# KiCad board NX-J401-Adapter.kicad_pcb
title: NX Adapter Board; date: 2025-10-24; rev: 5
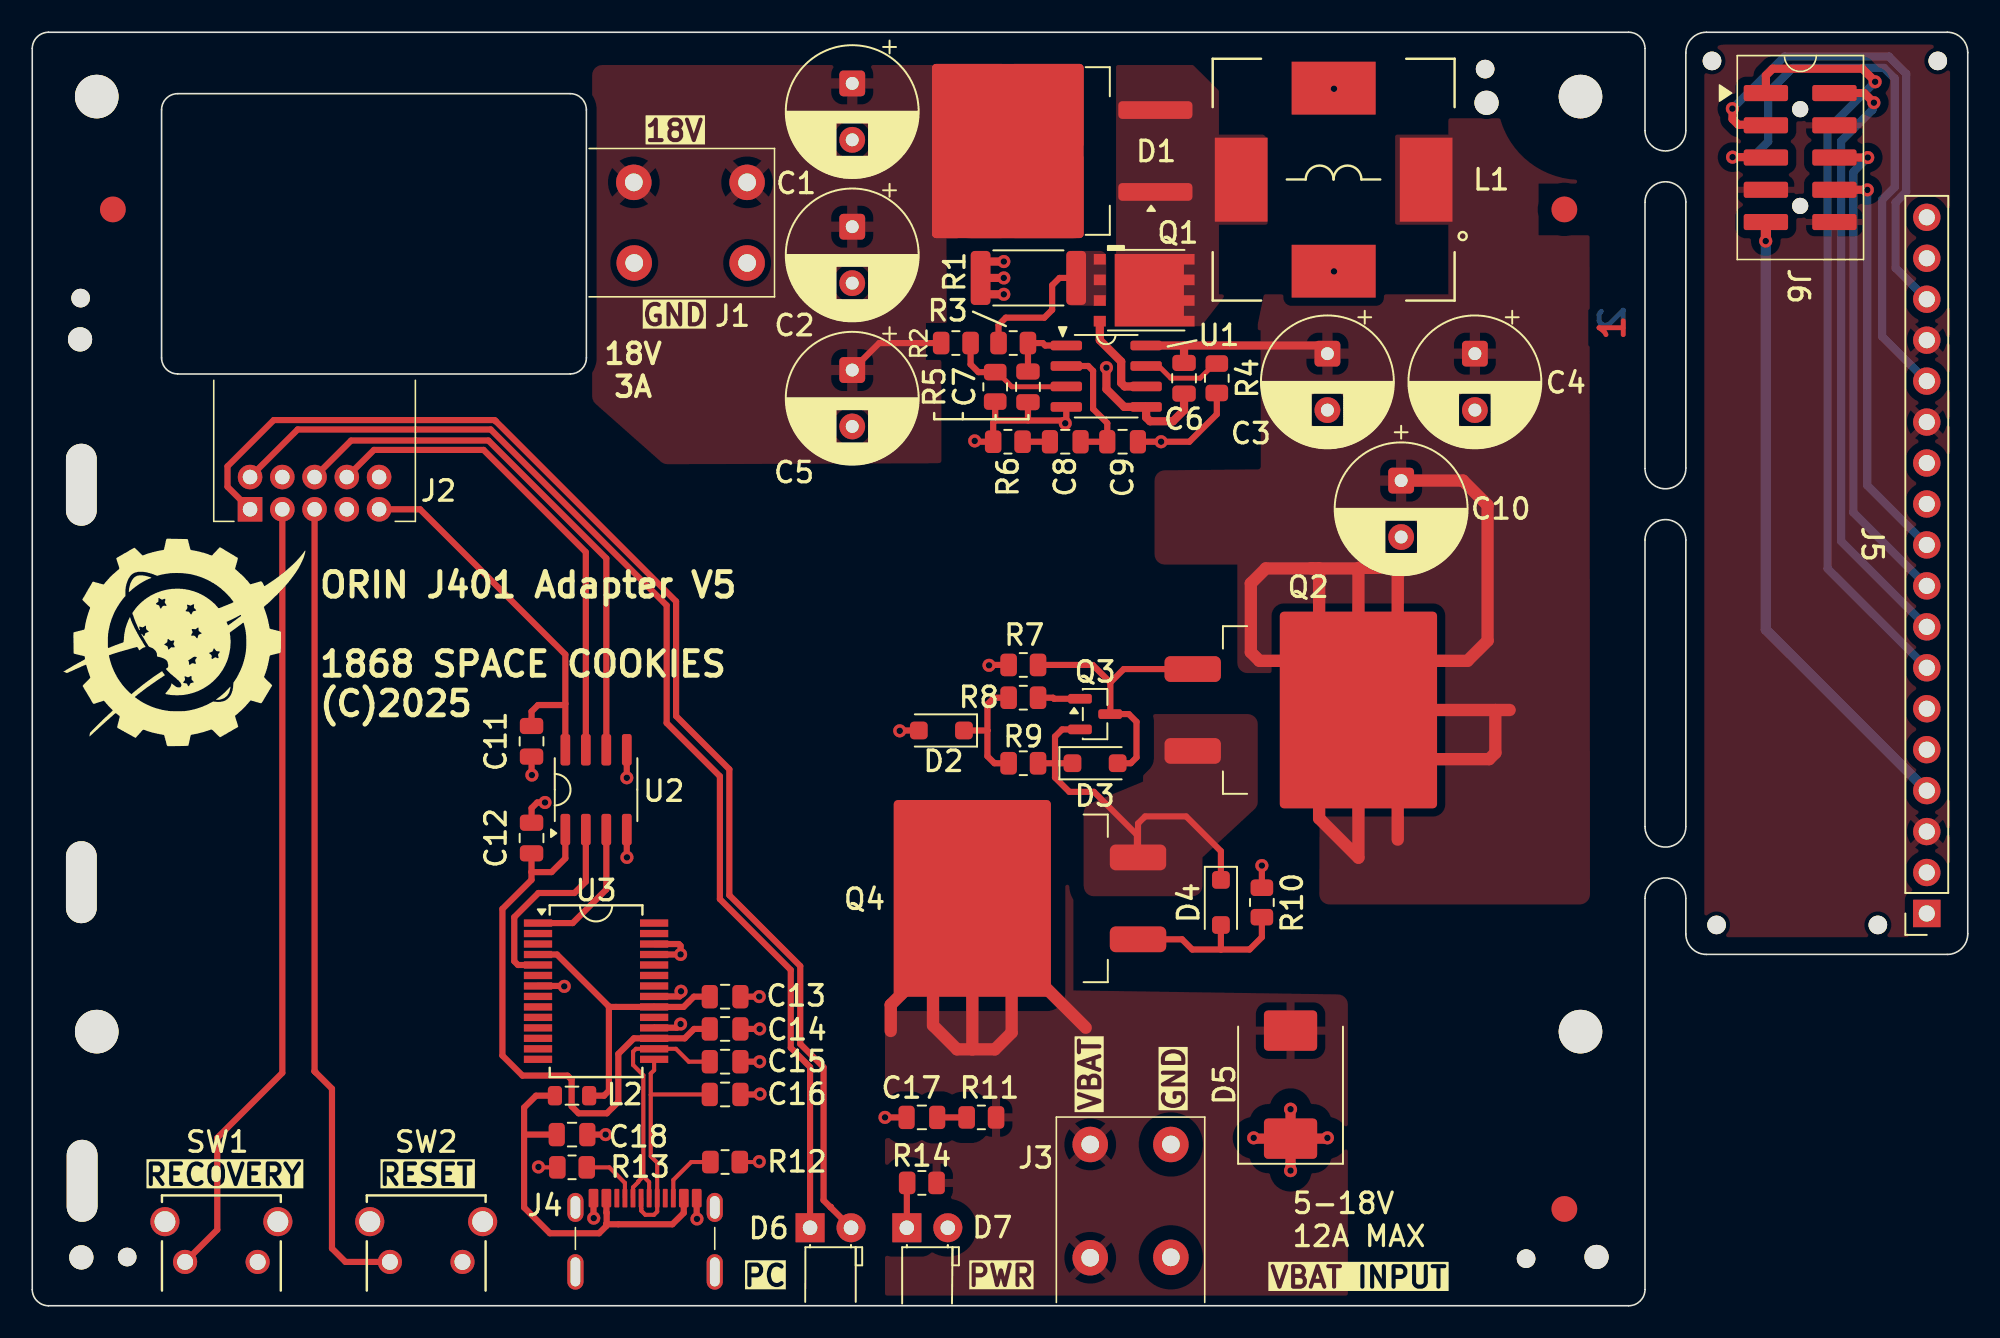
[diagram p0: board, top side]
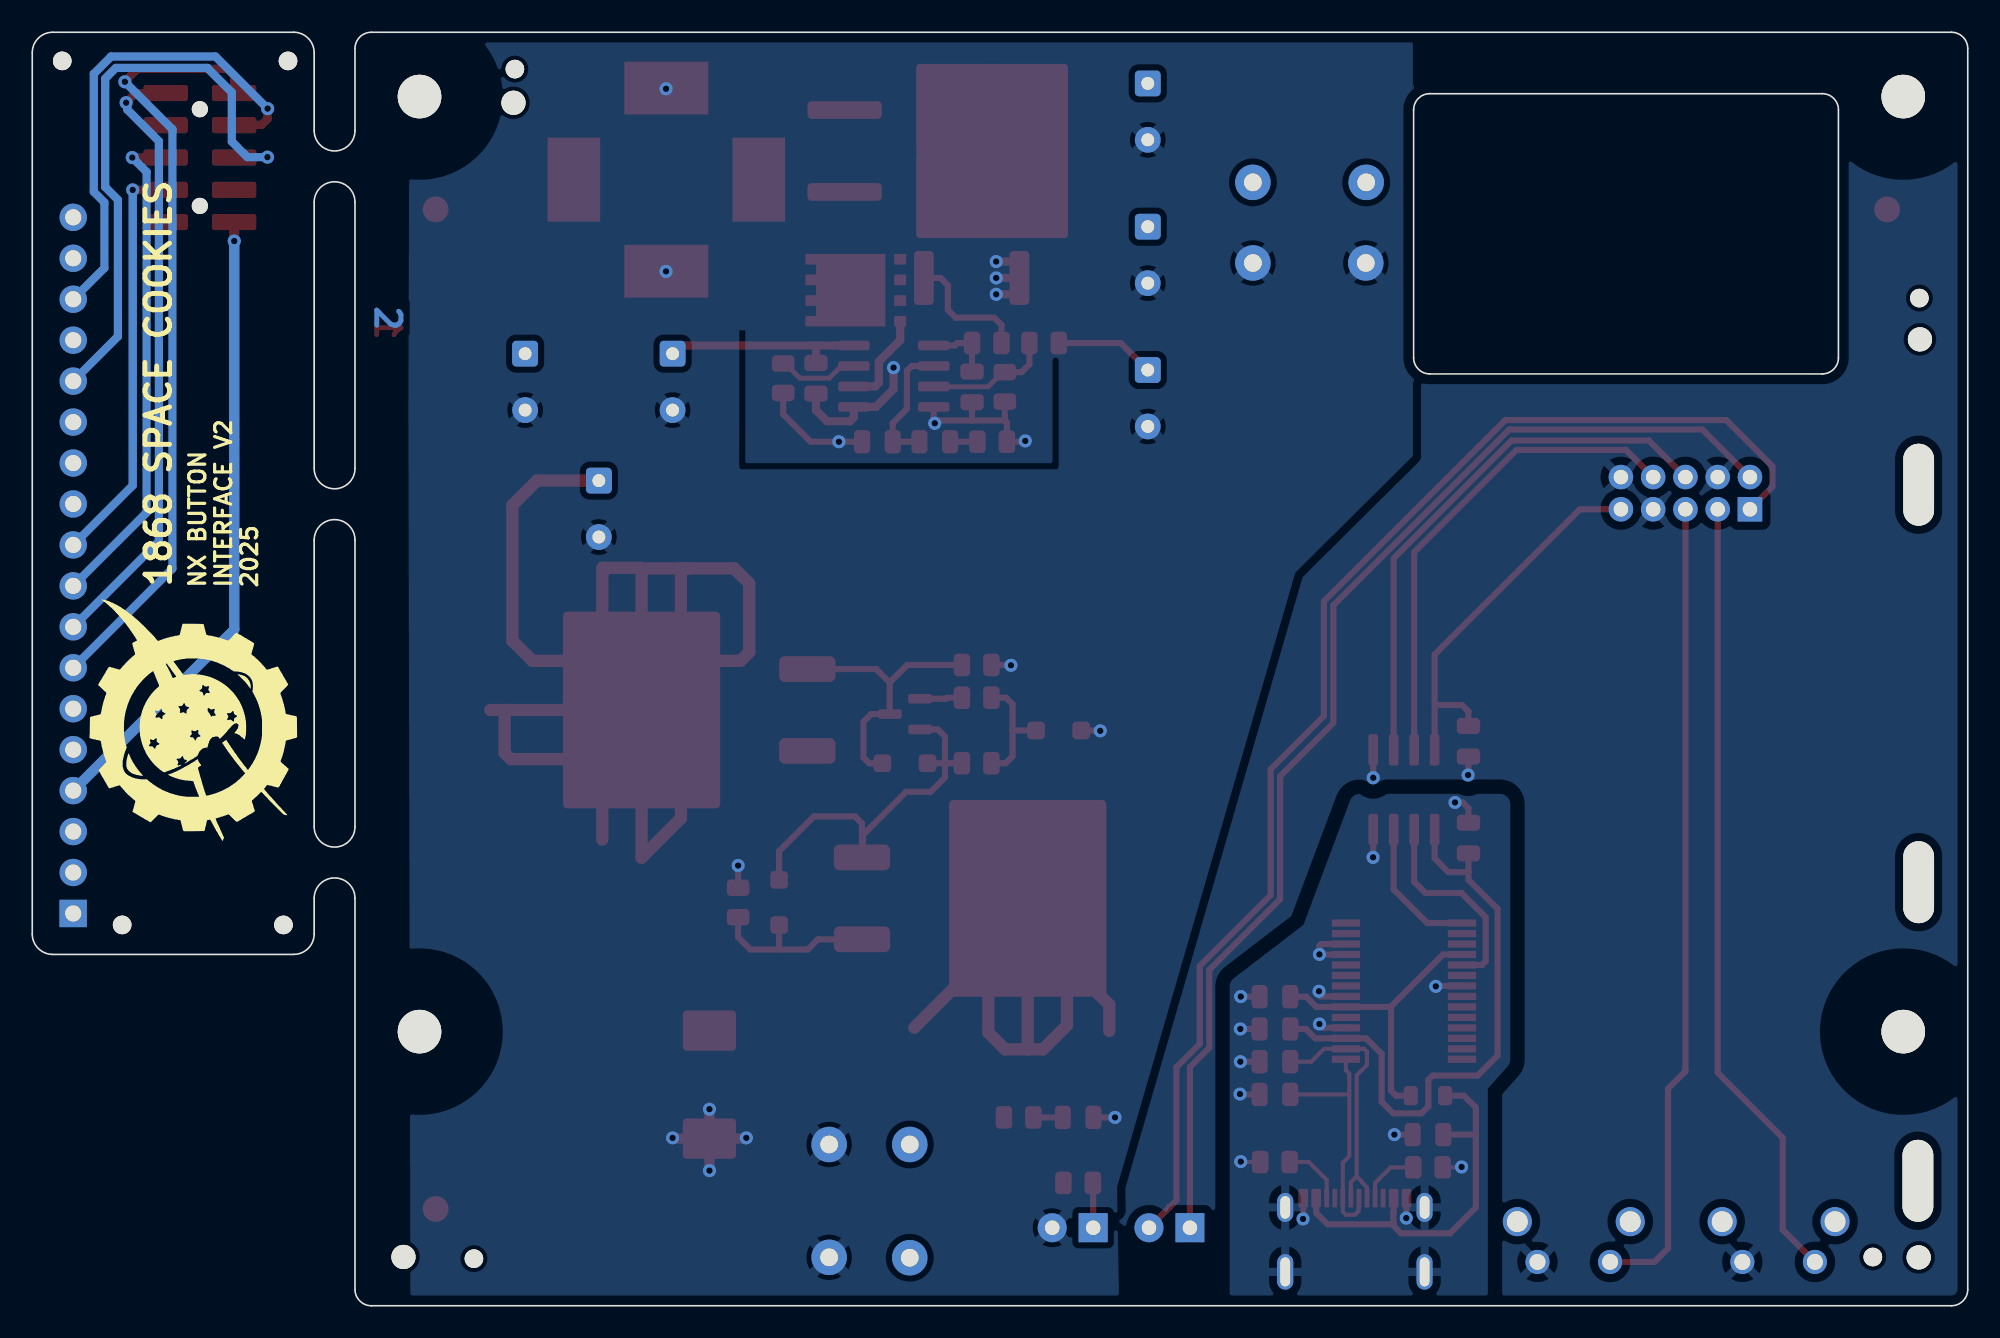
[diagram p1: board, bottom side, seen from below]

Outline 120.01 x 78.99 mm; copper layers: Top, Bottom. Coordinates in mm from the lower left corner of the outline.
Outline path: 100,51.94 100,68.45 arc(101.27,69.72) 102.53,68.45 102.53,51.94 ; 100,47.5 100,29.72 ; 100,47.5 arc(101.27,48.76) 102.53,47.5 ; 102.53,51.94 arc(101.27,50.68) 100,51.94 ; 102.53,29.72 102.53,47.5 ; 102.53,29.72 arc(101.27,28.45) 100,29.72 ; 0,77.98 0,1.02 arc(0.3,0.3) 1.02,0 98.98,0 arc(99.7,0.3) 100,1.02 100,25.27 arc(101.27,26.54) 102.53,25.27 102.53,23.06 arc(102.9,22.17) 103.8,21.79 118.74,21.79 arc(119.64,22.17) 120.01,23.06 120.01,77.72 arc(119.64,78.62) 118.74,78.99 103.8,78.99 arc(102.9,78.62) 102.53,77.72 102.53,72.9 arc(101.27,71.63) 100,72.9 100,77.98 arc(99.7,78.7) 98.98,78.99 1.02,78.99 arc(0.3,78.7) 0,77.98 ; 8.02,74.18 arc(8.31,74.89) 9.02,75.18 33.36,75.18 arc(34.07,74.89) 34.36,74.18 34.36,58.8 arc(34.07,58.09) 33.36,57.8 9.02,57.8 arc(8.31,58.09) 8.02,58.8 8.02,74.18
Stack: Top 0.0351mm / dielectric 1.5019mm FR4 er 4.5 / Bottom 0.0351mm

## Placement (name value [footprint] x y rotation side)
C1  56uF 25V  [CP_Radial_D8.0mm_P3.50mm_H7.0mm]  50.84 75.82 270 top
C2  56uF 25V  [CP_Radial_D8.0mm_P3.50mm_H7.0mm]  50.84 66.93 270 top
C3  120uF 25V  [CP_Radial_D8.0mm_P3.50mm_H7.0mm]  80.31 59.06 270 top
C4  120uF 25V  [CP_Radial_D8.0mm_P3.50mm_H7.0mm]  89.45 59.06 270 top
C5  56uF 25V  [CP_Radial_D8.0mm_P3.50mm_H7.0mm]  50.84 58.04 270 top
C6  0.22uF-10%-50V-0805  [C_0805_2012Metric]  71.42 57.53 270 top
C7  10pF-5%-50V-0805  [C_0805_2012Metric]  61.74 57 270 top
C8  0.22uF-10%-50V-0805  [C_0805_2012Metric]  64.05 53.59 180 top
C9  0.01uF-10%-50V-0805  [C_0805_2012Metric]  67.61 53.59 0 top
C10  120uF 25V  [CP_Radial_D8.0mm_P3.50mm_H7.0mm]  84.88 51.18 270 top
C11  0.22uF-10%-50V-0805  [C_0805_2012Metric]  30.96 35.01 270 top
C12  0.22uF-10%-50V-0805  [C_0805_2012Metric]  30.96 29.01 90 top
C13  4.7uF-10%-50V-0805  [C_0805_2012Metric]  42.96 19.17 0 top
C14  0.22uF-10%-50V-0805  [C_0805_2012Metric]  42.96 17.17 0 top
C15  47pF-5%-50V-0805  [C_0805_2012Metric]  42.96 15.14 0 top
C16  47pF-5%-50V-0805  [C_0805_2012Metric]  42.96 13.11 0 top
C17  4.7uF-10%-50V-0805  [C_0805_2012Metric]  55.16 11.68 180 top
C18  0.01uF-10%-50V-0805  [C_0805_2012Metric]  33.47 10.62 0 top
D1  STPS20M100SG-TR  [TO-263-2]  61.99 71.63 180 top
D2  20V  [D_SOD-123F]  56.37 35.68 180 top
D3  15V  [D_SOD-123F]  65.9 33.65 0 top
D4  15V  [D_SOD-123F]  73.7 25.02 270 top
D5  24V  [D_SMC_Littelfuse_DO-214AB]  78.02 13.72 90 top
D6  PC  [LED_D3.0mm_Horizontal_O1.27mm_Z2.0mm]  48.23 4.84 0 top
D7  PWR  [LED_D3.0mm_Horizontal_O1.27mm_Z2.0mm]  54.23 4.84 0 top
FID1  Fiducial  [Fiducial_1.6mm_Mask3mm]  5 68 0 top
FID2  Fiducial  [Fiducial_1.6mm_Mask3mm]  95 68 0 top
FID3  Fiducial  [Fiducial_1.6mm_Mask3mm]  95 6 0 top
H1  Tooling Hole  [ToolingHole_1.152mm]  90.09 76.71 0 top
H2  MountingHole  [MountingHole_2.7mm_M2.5]  4 75 0 top
H3  MountingHole  [MountingHole_2.7mm_M2.5]  96 75 0 top
H4  Tooling Hole  [ToolingHole_1.152mm]  3 62.5 0 top
H5  MountingHole  [MountingHole_2.7mm_M2.5]  4 17 0 top
H6  MountingHole  [MountingHole_2.7mm_M2.5]  96 17 0 top
H7  Tooling Hole  [ToolingHole_1.152mm]  5.89 3.02 0 top
H8  Tooling Hole  [ToolingHole_1.152mm]  92.63 2.92 0 top
H9  Tooling Hole  [ToolingHole_1.152mm]  118.15 77.22 0 top
H10  Tooling Hole  [ToolingHole_1.152mm]  104.44 23.62 0 top
H11  Tooling Hole  [ToolingHole_1.152mm]  104.15 77.22 0 top
H12  Tooling Hole  [ToolingHole_1.152mm]  114.44 23.62 0 top
H13  1.5mm Tooling Hole  [ToolingHole_1.5mm]  2.96 59.94 0 top
H14  1.5mm Tooling Hole  [ToolingHole_1.5mm]  90.17 74.62 0 top
H15  1.5mm Tooling Hole  [ToolingHole_1.5mm]  96.99 3.03 0 top
H16  1.5mm Tooling Hole  [ToolingHole_1.5mm]  3.04 3 0 top
H17  Zip Tie Slot  [Zip-tie-slot]  3.04 26.27 90 top
H18  Zip Tie Slot  [Zip-tie-slot]  3.04 50.93 90 top
H19  Zip Tie Slot  [Zip-tie-slot]  3.09 7.75 90 top
J1  V_OUT  [Weidmuller-1824740000]  44.33 69.68 270 top
J2  NX BUTTON  [Molex-0878331031]  17.51 50.4 0 top
J3  Power  [Weidmuller-1824740000]  65.6 10 0 top
J4  USB_C_Receptacle_USB2.0_14P  [Molex-USB-C-2171790001]  38 4.1 0 top
J5  NX CONTROL & UART  [PinSocket_1x18_P2.54mm_Vertical]  117.47 24.33 180 top
J6  NX BUTTON  [Molex-878321010]  109.62 71.22 270 top
L1  4.7 uH-8m-20%  [INDUCTOR_IHLE-5050FH-Vishay]  80.69 69.85 90 top
L2  HZ0805E601R-10  [L_0805_2012Metric]  33.47 13.03 0 top
LOGO1  SPACE COOKIES LOGO  [SPACE_COOKIES_LOGO_15mm]  9.44 41.15 0 top
LOGO2  SPACE COOKIES LOGO  [SPACE_COOKIES_LOGO_15mm]  110.03 36.32 90 bottom
Q1  CSD16322Q5  [TI-SON5x6]  68.94 62.99 180 top
Q2  SQM40061EL_GE3  [TO-263-2#2]  78.65 36.95 0 top
Q3  MMBT3906LT3G  [SOT-23]  65.9 36.7 0 top
Q4  SQM40061EL_GE3  [TO-263-2#2]  61.86 25.27 180 top
R1  4.0m-1%-2512  [R_2512_6332Metric]  61.77 63.75 0 top
R2  14.0k-1%-0805  [R_0805_2012Metric]  57.27 59.72 180 top
R3  100R-1%-0805  [R_0805_2012Metric]  60.83 59.72 0 top
R4  59.0k-1%-0805  [R_0805_2012Metric]  73.45 57.53 90 top
R5  1.05k-1%-0805  [R_0805_2012Metric]  59.71 57 90 top
R6  1.05k-1%-0805  [R_0805_2012Metric]  60.5 53.59 0 top
R7  5.10k-1%-0805  [R_0805_2012Metric]  61.45 39.75 0 top
R8  5.10k-1%-0805  [R_0805_2012Metric]  61.45 37.72 0 top
R9  1.05k-1%-0805  [R_0805_2012Metric]  61.45 33.65 0 top
R10  5.10k-1%-0805  [R_0805_2012Metric]  76.24 25.02 270 top
R11  1.00R-1%-0805  [R_0805_2012Metric]  58.85 11.68 0 top
R12  5.10k-1%-0805  [R_0805_2012Metric]  42.96 8.92 180 top
R13  5.10k-1%-0805  [R_0805_2012Metric]  33.47 8.59 0 top
R14  5.10k-1%-0805  [R_0805_2012Metric]  55.16 7.62 180 top
SW1  RECOVERY  [SW_TL1105VF100Q_EWI]  9.48 2.72 0 top
SW2  RESET  [SW_TL1105VF100Q_EWI]  22.18 2.72 0 top
U1  LM3478MA  [SOIC-8_3.9x4.9mm_P1.27mm]  66.59 57.66 0 top
U2  ISO6721BDR  [SOIC-8_3.9x4.9mm_P1.27mm]  34.96 32.01 90 top
U3  FT232RNL  [SSOP-28_5.3x10.2mm_P0.65mm]  34.96 19.51 0 top

## Library data of the parts
C1 C2 C5 = -: Datasheet: Components/Panasonic-AAB8000C250.pdf; MFG: Panasonic Electronic Components; MFG P/N: 25SEPF56M; DIST: Mouser; DIST P/N: 667-25SEPF56M; ki_fp_filters: CP_*
C3 C4 C10 = -: Datasheet: Components/Panasonic-AAB8000C265.pdf; MFG: Panasonic; MFG P/N: 25SEK120M; DIST: Digikey; DIST P/N: P122635-ND; ki_fp_filters: CP_*
C6 C8 C11 C12 C14 = -: Datasheet: Components/KEMET_C1002_X7R_SMD.pdf; MFG: KEMET; MFG P/N: C0805C224K5RAC7800; DIST: Digikey; DIST P/N: 399-C0805C224K5RACTUCT-ND; ki_fp_filters: C_*
C7 = -: MFG: Samsung Electro-Mechanics; MFG P/N: CL21C100CBANNNC; DIST: Digikey; DIST P/N: 1276-2561-1-ND; ki_fp_filters: C_*
C9 C18 = -: MFG: Samsung Electro-Mechanics; MFG P/N: CL21B103KBANNNC; DIST: Digikey; DIST P/N: 1276-1015-1-ND; ki_fp_filters: C_*
C13 C17 = -: Datasheet: Components/KEMET_C1002_X7R_SMD.pdf; MFG: Murata Electronics; MFG P/N: GRM21BR61H475KE51L; DIST: Digikey; DIST P/N: 490-10751-1-ND; ki_fp_filters: C_*
C15 C16 = -: MFG: YAGEO; MFG P/N: CC0805JRNPO9BN470; DIST: Digikey; DIST P/N: 311-1107-1-ND; ki_fp_filters: C_*
D1 = -: Datasheet: Components/ST-STPS20M100SG.pdf; DIST: Digikey; DIST P/N: 497-10993-1-ND; MFG: STmicroelectronics; ki_fp_filters: TO-???* *_Diode_* *SingleDiode* D_*
D2 = -: Datasheet: Components/Nxperia-BZT52H_SER.pdf; MFG: Nexperia; MFG P/N: BZT52H-C20,115; DIST: Digikey; DIST P/N: 1727-3596-1-ND; ki_fp_filters: TO-???* *_Diode_* *SingleDiode* D_*
D3 D4 = -: Datasheet: Components/Nxperia-BZT52H_SER.pdf; MFG: Nexperia; MFG P/N: BZT52H-C15,115; DIST: Digikey; DIST P/N: 1727-3593-1-ND; ki_fp_filters: TO-???* *_Diode_* *SingleDiode* D_*
D5 = -: Datasheet: Components/littelfuse-tvs-smdj-datasheet.pdf; MFG: Littelfuse; MFG P/N: SMDJ24CA; DIST: Digikey; DIST P/N: SMDJ24CACT-ND; ki_fp_filters: TO-???* *_Diode_* *SingleDiode* D_*
D6 D7 = -: Datasheet: Components/KingBright-RG-LED-P937EGW.pdf; Description: Dual LED, bidirectional; MFG: Kingbright; MFG P/N: WP937EGW; DIST: Digikey; DIST P/N: 754-1751-ND; ki_fp_filters: LED* LED_SMD:* LED_THT:*
FID1-FID3 = -: Description: Fiducial Marker; ki_fp_filters: Fiducial*
H1-H19 = -: ki_fp_filters: MountingHole*
J1 J3 = -: Datasheet: Components/Weidmuller-1824740000.pdf; MFG: Weidmuller; MFG P/N: 1824740000; DIST: Digikey; DIST P/N: 281-2110-ND; ki_fp_filters: Connector*:*_1x??_*
J2 = -: Datasheet: Components/Molex-878331031_sd.pdf; Description: Generic connector, double row, 02x05, odd/even pin numbering scheme (row 1 odd numbers, row 2 even numbers), script generated (kicad-library-utils/schlib/autogen/connector/); MFG: Molex; MFG P/N: 0878331031; DIST: Digikey; DIST P/N: WM3598-ND; ki_fp_filters: Connector*:*_2x??_*
J4 = -: Datasheet: Components/Molex-USB-C-2171790001_sd.pdf; Description: USB 2.0-only 14P Type-C Receptacle connector; MFG: Molex; MFG P/N: 2171790001; DIST: Digikey; DIST P/N: 900-2171790001CT-ND; ki_fp_filters: USB*C*Receptacle*
J5 = -: Datasheet: Components/Sullins-Female_Headers.100_DS.pdf; MFG: Sullins Connector Solutions; MFG P/N: PPTC181LFBN-RC; DIST: Digikey; DIST P/N: S7016-ND; ki_fp_filters: Connector*:*_1x??_*
J6 = -: Datasheet: Components/Molex-878321010_sd.pdf; Description: Generic connector, double row, 02x05, odd/even pin numbering scheme (row 1 odd numbers, row 2 even numbers), script generated (kicad-library-utils/schlib/autogen/connector/); MFG: Molex; MFG P/N: 0878321010; DIST: Digikey; DIST P/N: WM4227-ND; ki_fp_filters: Connector*:*_2x??_*
L1 = -: Datasheet: Components/Vishay-ihle-5050fh-5a.pdf; Description: 4.7 µH Shielded Inductor 18.5 A 7.93mOhm Max; MFG: Vishay Dale; MFG P/N: IHLE5050FHER4R7M5A; DIST: Mouser; DIST P/N: 70-IHLE5050FHR4R7M5A; ki_fp_filters: Choke_* *Coil* Inductor_* L_*
L2 = -: Datasheet: Components/Laird-hz0805e601r-10-datasheet.pdf; Description: Ferrite bead; MFG: Laird-Signal Integrity Products; DIST: Digikey; DIST P/N: 240-2399-1-ND; ki_fp_filters: Choke_* *Coil* Inductor_* L_*
Q1 = -: Datasheet: Components/TI-csd16322q5.pdf; Description: N-Channel 25 V 21A (Ta), 97A (Tc) 3.1W (Ta) Surface Mount 8-VSON-CLIP (5x6); MFG: Texas Instruments; DIST: Digikey; DIST P/N: 296-25112-1-ND
Q2 Q4 = -: Datasheet: Components/Vishay-sqm40061el.pdf; Description: P-Channel 40 V 100A (Tc) 150W (Tc) Surface Mount TO-263 (D2PAK); MFG: Vishay Siliconix; DIST: Digikey; DIST P/N: SQM40061EL_GE3CT-ND
Q3 = -: Datasheet: Components/onsemi-MMBT3906LT1-D.PDF; Description: -0.2A Ic, -40V Vce, Small Signal PNP Transistor, SOT-23; MFG: onsemi; DIST: Digikey; DIST P/N: MMBT3906LT3GOSCT-ND; ki_fp_filters: SOT?23*
R1 = -: Datasheet: Components/Bourns-cre.pdf; MFG: Bourns Inc.; MFG P/N: CRE2512-FZ-R004E-3; DIST: Digikey; DIST P/N: CRE2512-FZ-R004E-3CT-ND; ki_fp_filters: R_*
R2 = -: Datasheet: Components/YageoPYu-RC_Group_51_RoHS_L_12.pdf; MFG: Yageo; MFG P/N: RC0805FR-0714KL; DIST: Digikey; DIST P/N: 311-14.0KCRCT-ND; ki_fp_filters: R_*
R3 = -: Datasheet: Components/YageoPYu-RC_Group_51_RoHS_L_12.pdf; MFG: Yageo; MFG P/N: RC0805FR-07100RL; DIST: Digikey; DIST P/N: 311-100CRCT-ND; ki_fp_filters: R_*
R4 = -: Datasheet: Components/YageoPYu-RC_Group_51_RoHS_L_12.pdf; MFG: Yageo; MFG P/N: RC0805FR-0759KL; DIST: Digikey; DIST P/N: 311-59.0KCRCT-ND; ki_fp_filters: R_*
R5 R6 R9 = -: Datasheet: Components/YageoPYu-RC_Group_51_RoHS_L_12.pdf; MFG: Yageo; MFG P/N: RC0805FR-071K05L; DIST: Digikey; DIST P/N: 311-1.05KCRCT-ND; ki_fp_filters: R_*
R7 R8 R10 R12-R14 = -: Datasheet: Components/YageoPYu-RC_Group_51_RoHS_L_12.pdf; MFG: Yageo; MFG P/N: RC0805FR-135K1L; DIST: Digikey; DIST P/N: 13-RC0805FR-135K1LCT-ND; ki_fp_filters: R_*
R11 = -: Datasheet: Components/YageoPYu-RC_Group_51_RoHS_L_12.pdf; MFG: Vishay Dale; MFG P/N: CRCW08051R00FKEAHP; DIST: Digikey; DIST P/N: 541-1.00TCT-ND; ki_fp_filters: R_*
SW1 SW2 = -: Datasheet: Components/E-SWITCH-tl1105vf100q-drawing.pdf; DIST: Digikey; DIST P/N: EG2507-ND; MFG: E-Switch; MFG P/N: TL1105VF100Q
U1 = -: Datasheet: Components/TI-lm3478.pdf; MFG: Texas Instruments; MFG P/N: LM3478MAX/NOPB; DIST: Digikey; DIST P/N: 296-38111-1-ND; ki_fp_filters: SOIC-8*3.9x4.9mm_P1.27mm*
U2 = -: Datasheet: Components/TexasInstruments-iso6721.pdf; MFG: Texas Instruments; DIST: Digikey; DIST P/N: 296-ISO6721BDRCT-ND
U3 = -: Datasheet: Components/FTDI-FT232RN.pdf; Description: USB to Serial Interface, SSOP-28; MFG: FTDI; DIST: Mouser; DIST P/N: 895-FT232RNL-TUBE; ki_fp_filters: SSOP*5.3x10.2mm*P0.65mm*

## Footprints (pads in the part's own frame, mm; a bottom-side part is the same pattern mirrored in y, then rotated)
C_0805_2012Metric
  rrect 1x1.45 smd: 1(-0.95,0) 2(0.95,0)
CP_Radial_D8.0mm_P3.50mm_H7.0mm
  rrect 1.6x1.6 hole 0.8: 1(0,0)
  round 1.6 hole 0.8: 2(3.5,0)
D_SMC_Littelfuse_DO-214AB
  rrect 2.5x3.3 smd: 1(-3.35,0) 2(3.35,0)
D_SOD-123F
  rrect 1.1x1.1 smd: 1(-1.4,0) 2(1.4,0)
Fiducial_1.6mm_Mask3mm
  round 1.6 smd: (0,0)
INDUCTOR_IHLE-5050FH-Vishay
  rect 5.21x3.265 smd: 1(0,-5.732) 2(0,5.732)
  rect 3.275x5.21 smd: 3(-5.678,0) 4(5.678,0)
L_0805_2012Metric
  rrect 0.875x1.2 smd: 1(-1.062,0) 2(1.062,0)
LED_D3.0mm_Horizontal_O1.27mm_Z2.0mm
  rect 1.8x1.8 hole 0.9: 1(0,0)
  round 1.8 hole 0.9: 2(2.54,0)
Molex-878321010
  round 1 hole 1 unplated: (-3,0) (3,0)
  rrect 1x2.75 smd: 1(-4,-2.125) 2(-4,2.125) 3(-2,-2.125) 4(-2,2.125) 5(0,-2.125) 6(0,2.125) 7(2,-2.125) 8(2,2.125) 9(4,-2.125) 10(4,2.125)
Molex-0878331031
  rect 1.524x1.524 hole 0.9: 1(-4,-1)
  round 1.524 hole 0.9: 2(-4,1) 3(-2,-1) 4(-2,1) 5(0,-1) 6(0,1) 7(2,-1) 8(2,1) 9(4,-1) 10(4,1)
Molex-USB-C-2171790001
  rrect 0.6x1.15 smd: A1B12(-3.2,2.575) A4B9(-2.4,2.575) B1A12(3.2,2.575) B4A9(2.4,2.575)
  rrect 0.3x1.15 smd: A5(-1.25,2.575) A6(-0.25,2.575) A7(0.25,2.575) A8(1.25,2.575) B5(1.75,2.575) B6(0.75,2.575) B7(-0.75,2.575) B8(-1.75,2.575)
  oval 1x1.8 hole 0.6x1.4: S1(-4.32,2) S1(4.32,2)
  oval 1x2.2 hole 0.6x1.8: S1(-4.32,-2) S1(4.32,-2)
MountingHole_2.7mm_M2.5
  round 2.7 hole 2.7 unplated: (0,0)
PinSocket_1x18_P2.54mm_Vertical
  rect 1.7x1.7 hole 1: 1(0,0)
  round 1.7 hole 1: 2(0,-2.54) 3(0,-5.08) 4(0,-7.62) 5(0,-10.16) 6(0,-12.7) 7(0,-15.24) 8(0,-17.78) 9(0,-20.32) 10(0,-22.86) 11(0,-25.4) 12(0,-27.94) 13(0,-30.48) 14(0,-33.02) 15(0,-35.56) 16(0,-38.1) 17(0,-40.64) 18(0,-43.18)
R_0805_2012Metric
  rrect 1.025x1.4 smd: 1(-0.912,0) 2(0.912,0)
R_2512_6332Metric
  rrect 1.225x3.35 smd: 1(-2.962,0) 2(2.962,0)
SOIC-8_3.9x4.9mm_P1.27mm
  rrect 1.95x0.6 smd: 1(-2.475,1.905) 2(-2.475,0.635) 3(-2.475,-0.635) 4(-2.475,-1.905) 5(2.475,-1.905) 6(2.475,-0.635) 7(2.475,0.635) 8(2.475,1.905)
SOT-23
  rrect 1.475x0.6 smd: 1(-0.938,0.95) 2(-0.938,-0.95) 3(0.938,0)
SSOP-28_5.3x10.2mm_P0.65mm
  rect 1.75x0.45 smd: 1(-3.6,4.225) 2(-3.6,3.575) 3(-3.6,2.925) 4(-3.6,2.275) 5(-3.6,1.625) 6(-3.6,0.975) 7(-3.6,0.325) 8(-3.6,-0.325) 9(-3.6,-0.975) 10(-3.6,-1.625) 11(-3.6,-2.275) 12(-3.6,-2.925) 13(-3.6,-3.575) 14(-3.6,-4.225) 15(3.6,-4.225) 16(3.6,-3.575) 17(3.6,-2.925) 18(3.6,-2.275) 19(3.6,-1.625) 20(3.6,-0.975) 21(3.6,-0.325) 22(3.6,0.325) 23(3.6,0.975) 24(3.6,1.625) 25(3.6,2.275) 26(3.6,2.925) 27(3.6,3.575) 28(3.6,4.225)
SW_TL1105VF100Q_EWI
  round 1.499 hole 0.991: 1(0,0) 2(4.5,0)
  round 1.803 hole 1.295: 3(-1.25,2.5) 4(5.75,2.5)
TI-SON5x6
  rect 0.75x0.66 smd: 1(2.75,-1.92) 2(2.75,-0.64) 3(2.75,0.64) 4(2.75,1.92)
  custom 4.95x4.5 smd: 5(-0.32,0)
TO-263-2
  rrect 4.6x1.1 smd: 1(-7.65,2.54) 3(-7.65,-2.54)
  rrect 4.55x5.25 smd: 2(-0.925,2.775) 2(-0.925,-2.775) 2(3.925,2.775) 2(3.925,-2.775)
  rrect 9.4x10.8 smd: 2(1.5,0)
TO-263-2#2
  rrect 3.5x1.6 smd: 1(-6.7,2.54) 3(-6.7,-2.54)
  rrect 4.275x5.5 smd: 2(1.137,3.05) 2(1.137,-3.05) 2(6.013,3.05) 2(6.013,-3.05)
  rrect 9.75x12.2 smd: 2(3.575,0)
ToolingHole_1.5mm
  round 1.5 hole 1.5 unplated: (0,0)
ToolingHole_1.152mm
  round 1.152 hole 1.152 unplated: (0,0)
Weidmuller-1824740000
  round 2.2 hole 1.1: 1(0,0) 1(0,-7.025) 2(5,0) 2(5,-7)
Zip-tie-slot
  oval 5.08x1.905 hole 5.08x1.905 unplated: (0,0)

## Nets
3V3_USB: C12.1 C14.1 U2.1 U3.17
+18V: C1.1 C2.1 C5.1 D1.2 J1.1 R2.2
/3V3: C11.1 J2.9 U2.8
/NX Button Interface/3V3_BTN: J5.4 J6.9
/NX Button Interface/GND_BTN: J5.3 J5.13 J5.15 J6.4 J6.7 J6.10
GND: C1.2 C2.2 C3.2 C4.2 C5.2 C6.2 C7.2 C9.2 C10.2 C17.2 D2.2 D5.1 D7.2 J1.2 J3.2 L1.3 L1.4 R1.1 R4.1 R5.1 R6.1 R7.1 R10.1 U1.4 U1.5
GND1: C11.2 J2.4 J2.7 J2.10 SW1.2 SW2.2 U2.5
GND_USB: C12.2 C13.2 C14.2 C15.2 C16.2 C18.2 J4.A1B12 J4.B1A12 J4.S1 R12.1 R13.1 U2.4 U3.7 U3.18 U3.21 U3.25 U3.26
/NX Button Interface/CAN_RX: J5.2
/NX Button Interface/CAN_TX: J5.1
/NX Button Interface/NX_PC_LED+: J5.8 J6.2
/NX Button Interface/NX_PC_LED-: J5.7 J6.1
/NX Button Interface/UART2_RXD: J5.9 J6.6
/NX Button Interface/UART2_TXD: J5.10 J6.8
/NX Button Interface/~{REC}: J5.16 J6.3
/NX Button Interface/~{SYS_RESET}: J5.14 J6.5
/PC_LED+: D6.1 J2.2
/PC_LED-: D6.2 J2.1
/Power Supply/Q_S: Q1.1 Q1.2 Q1.3 R1.2 R3.1
/Power Supply/SW: D1.1 D1.3 L1.2 Q1.5
/Power Supply/V_IN: C3.1 C4.1 C6.1 C10.1 L1.1 Q2.2 U1.8
/Power Supply/V_P: D3.1 D4.1 Q2.3 Q3.2 Q4.3 R9.2
/UART2_RXD: J2.6 U2.6
/UART2_TXD: J2.8 U2.7
/V_BAT: D5.2 J3.1 Q4.2 R11.2 R14.1
/~{REC}: J2.3 SW1.1
/~{SYS_RESET}: J2.5 SW2.1
Net-(C8-Pad2): C8.2 R6.2
Net-(C17-Pad1): C17.1 R11.1
Net-(C18-Pad1): C18.1 J4.A4B9 J4.B4A9 L2.1
Net-(D2-K): D2.1 R8.1 R9.1
Net-(D3-A): D3.2 Q2.1 Q3.3 R7.2
Net-(D4-A): D4.2 Q4.1 R10.2
Net-(D7-KA): D7.1 R14.2
Net-(J4-CC1): J4.A5 R13.2
Net-(J4-CC2): J4.B5 R12.2
Net-(Q1-G): Q1.4 U1.6
Net-(Q3-B): Q3.1 R8.2
Net-(U1-COMP): C8.1 C9.1 U1.2
Net-(U1-FA/SD): R4.2 U1.7
Net-(U1-FB): R2.1 R5.2 U1.3
Net-(U1-I_{SEN}): C7.1 R3.2 U1.1
Net-(U2-IN_{B}): U2.3 U3.1
Net-(U2-OUT_{A}): U2.2 U3.5
Net-(U3-USBD+): C16.1 J4.A6 J4.B6 U3.15
Net-(U3-USBD-): C15.1 J4.A7 J4.B7 U3.16
Net-(U3-VCC): C13.1 L2.2 U3.4 U3.20

Pads without a net: J4 A8 B8; J5 5 6 11 12 17 18; SW1 3 4; SW2 3 4; U3 2 3 6 8 9 10 11 12 13 14 19 22 23 24 27 28

## Via types
v1: diameter 0.813, hole 0.406, Top to Bottom, 41 vias

## Routing (per net, layer and track width the routed paths; a pad name or vN(x,y) marks a point on that pad's centre or on a via; arc(x,y) is an arc through that point)
3V3_USB: length 36.7
  Top w0.381: C12.1 30.95,28.06 30.95,26.9 ; 30.95,26.9 32.2,26.9 33.05,27.75 U2.1 ; 30.95,26.9 30.95,26.42 29.15,24.61 29.15,15.52 30.4,14.27 33.19,14.27 33.44,14.02 33.44,12.37 33.88,11.94 35.63,11.94 36.34,12.65 36.34,15.62 37.3,16.59 U3.17 40.46,16.59 41.04,17.17 C14.1
+18V: length 6.2
  Top w0.381: R2.2 52.52,59.72 C5.1
/3V3: length 24.4
  Top w0.381: 33.05,37.34 32.98,37.26 31.36,37.26 30.96,36.86 C11.1 ; 33.05,37.34 33.05,40.39 24.05,49.4 J2.9 ; 33.05,37.34 33.05,34.49
/NX Button Interface/3V3_BTN: length 39.4
  Top w0.635: J6.9 107.5,66.05 v1(107.49,66.04)
  Bottom w0.635: v1(107.49,66.04) 107.49,41.94 J5.4
GND: length 45.8
  Top w0.254: 58.8,64.35 R1.1 58.8,63.16 59.23,62.74 ; 58.8,64.35 58.97,64.52 ; 58.8,64.35 59.23,64.77
  Top w0.381: 61.74,54.91 63.87,54.91 v1(64.05,54.74) ; 61.74,54.91 C7.2 ; 61.74,54.91 59.71,54.91 ; C9.2 v1(69.99,53.59) 71.75,53.59 73.45,55.3 R4.1 ; R7.1 59.35,39.75 v1(59.33,39.73) ; D2.2 53.81,35.68 v1(53.79,35.66) ; R5.1 59.71,54.91 ; 59.71,54.91 59.58,54.79 R6.1 58.49,53.59 v1(58.44,53.64) ; U1.4 64.12,54.8 v1(64.05,54.74) ; v1(64.05,54.74) 64.05,54.91 ; C17.2 v1(52.88,11.68) ; R10.1 v1(76.24,27.3)
  Top w0.508: v1(66.61,58.19) 66.61,56.86 67.71,55.75 U1.5 69.07,55.11 69.31,54.86 70.73,54.86 71.42,55.55 C6.2 ; 59.23,64.77 v1(60.24,64.77) ; R1.1 v1(60.24,63.75) ; 59.23,62.74 v1(60.24,62.74)
  Top w0.635: D5.1 v1(78.02,8.38) ; D5.1 75.78,10.37 v1(75.74,10.41) ; D5.1 v1(78.02,12.19) ; D5.1 80.26,10.37 v1(80.31,10.41)
  Top w0.762: v1(80.71,64.16) 80.7,64.17 L1.3 ; v1(80.71,75.49) 80.69,75.51 L1.4
GND1: length 2.9
  Top w0.381: C11.2 30.96,32.94 v1(30.98,32.92) ; v1(36.86,32.75) 36.86,34.49
GND_USB: length 23.7
  Top w0.254: v1(45.08,8.94) 45.05,8.92 R12.1 ; R13.1 31.41,8.59 v1(31.39,8.61)
  Top w0.381: v1(31.79,31.22) 31.31,31.22 30.96,30.87 C12.2 ; v1(41.22,5.38) 41.2,5.4 J4.B1A12 ; v1(40.23,19.51) 40.23,19.27 40.14,19.19 U3.21 ; C18.2 v1(35.55,10.62) ; v1(45.1,17.17) 45.1,17.17 C14.2 ; U3.25 40.19,21.79 v1(40.2,21.79) 40.2,22.33 40.09,22.44 38.56,22.44 ; v1(45.08,19.18) 45.07,19.17 C13.2 ; U3.18 38.57,17.25 39.97,17.25 v1(40.2,17.48) ; v1(45.1,15.14) 45.1,15.14 C15.2 ; J4.A1B12 34.8,5.45 v1(34.82,5.44) ; v1(45.13,13.13) 45.1,13.11 C16.2 ; U2.4 36.86,27.82 v1(36.87,27.81) ; v1(32.99,19.81) 32.96,19.84 U3.7
/NX Button Interface/NX_PC_LED+: length 38.2
  Top w0.508: J6.2 113.59,75.22 v1(114.19,74.63)
  Bottom w0.508: v1(114.19,74.63) 114.11,74.55 114.11,74.19 112.16,72.24 112.16,47.43 J5.8
/NX Button Interface/NX_PC_LED-: length 48.5
  Top w0.508: v1(114.27,75.92) 114.27,75.94 113.48,76.73 107.92,76.73 107.5,76.31 J6.1
  Bottom w0.508: v1(114.27,75.92) 111.32,72.97 111.32,45.72 J5.7
/NX Button Interface/UART2_RXD: length 31
  Top w0.508: v1(113.81,71.22) J6.6
  Bottom w0.508: J5.9 112.92,49.2 112.92,70.33 v1(113.81,71.22) 113.81,71.07
/NX Button Interface/UART2_TXD: length 25.6
  Top w0.508: J6.8 113.78,69.22 v1(113.78,69.21)
  Bottom w0.508: v1(113.78,69.21) 113.78,50.88 J5.10
/NX Button Interface/~{REC}: length 30.5
  Top w0.508: J6.3 107.46,73.25 105.78,73.25 105.43,73.61 105.43,74.24 v1(105.42,74.26)
  Bottom w0.508: J5.16 115.54,64.37 115.54,68.44 116.19,69.1 116.19,76.42 115.12,77.49 108.65,77.49 v1(105.42,74.26)
/NX Button Interface/~{SYS_RESET}: length 36.7
  Top w0.508: J6.5 107.47,71.25 v1(105.43,71.25)
  Bottom w0.508: J5.14 114.7,60.12 114.7,68.61 115.49,69.39 115.49,76.12 114.83,76.78 109.16,76.78 107.64,75.26 107.64,72.21 106.67,71.25 v1(105.43,71.25)
/PC_LED+: length 73.9
  Top w0.381: D6.1 48.23,14.81 47.03,16 47.03,20.83 42.64,25.22 42.64,32.84 39.34,36.15 39.34,43.45 28.43,54.36 16.46,54.36 J2.2
/PC_LED-: length 80.3
  Top w0.381: D6.2 49.52,6.09 49.52,6.13 49.48,6.13 49.07,6.54 49.07,14.8 47.62,16.24 47.62,21.07 43.22,25.47 43.22,33.27 39.92,36.58 39.92,43.69 28.75,54.86 28.74,54.86 28.67,54.94 14.98,54.94 12.11,52.07 12.11,50.8 J2.1
/Power Supply/Q_S: length 8
  Top w0.381: R1.2 63.7,63.75 63.24,63.3 63.24,61.77 62.76,61.29 60.37,61.29 59.91,60.84 R3.1
/Power Supply/SW: length 2.8
  Top w0.381: 75.02,69.85 75.02,70.77 ; 75.02,69.85 75.02,68.88 ; 75.02,69.85 75.02,70.76
/Power Supply/V_IN: length 111.5
  Top w0.508: C6.1 71.42,59.56 ; 71.42,59.56 79.8,59.56 C3.1 ; 71.42,59.56 U1.8
  Top w0.762: Q2.2 79.79,30.23 82.23,27.8 Q2.2 ; Q2.2 90.72,36.95 ; Q2.2 82.23,45.74 ; C10.1 88.71,51.18 90.24,49.66 90.24,41.25 88.99,40 Q2.2 84.67,45.37 84.65,45.39 84.65,45.77 82.26,45.77 82.23,45.74 ; 90.72,36.95 91.61,36.95 ; 90.72,36.95 90.72,34.29 90.34,33.9 Q2.2 84.67,28.91 ; 82.23,45.74 79.32,45.74 ; 79.32,45.74 76.49,45.74 75.56,44.81 75.56,40.54 76.09,40 Q2.2 79.79,45.72 79.77,45.74 79.32,45.74
/Power Supply/V_P: length 24.5
  Top w0.381: 63.42,33.65 63.42,35.31 63.86,35.75 Q3.2 ; 63.42,33.65 63.42,32.77 64.31,31.88 65.83,31.88 68.5,29.21 68.5,27.88 Q4.3 68.56,29.91 69,30.35 71.54,30.35 73.7,28.19 D4.1 ; 63.42,33.65 64.5,33.65 ; 63.42,33.65 R9.2
/UART2_RXD: length 33.9
  Top w0.381: 35.59,34.49 35.59,46.36 28.29,53.67 19.77,53.67 J2.6
/UART2_TXD: length 30.4
  Top w0.381: 34.32,34.49 34.32,46.74 27.98,53.09 21.19,53.09 J2.8
/V_BAT: length 38.5
  Top w0.762: 65.32,17.25 60.73,21.84 Q4.2 60.73,16.94 59.69,15.9 58.29,15.9 ; 58.29,15.9 57.34,15.9 55.85,17.39 Q4.2 55.85,21.29 53.23,18.67 53.23,17.04 ; 58.29,15.9 Q4.2
/~{REC}: length 49.2
  Top w0.381: J2.3 15.51,14.45 11.47,10.41 11.47,4.71 SW1.1
/~{SYS_RESET}: length 50.3
  Top w0.381: 17.57,14.48 18.59,13.46 18.59,3.56 19.42,2.72 SW2.1 ; 17.57,14.48 17.51,14.54 J2.5 ; 17.57,14.48 17.5,14.55
Net-(C8-Pad2): length 1.7
  Top w0.381: R6.2 C8.2
Net-(C17-Pad1): length 1.8
  Top w0.381: C17.1 R11.1
Net-(C18-Pad1): length 24.1
  Top w0.381: J4.A4B9 35.6,5.79 35.62,5.77 35.62,5.1 35.6,5.09 35.6,5.05 ; 35.6,5.05 35.6,4.95 35.15,4.5 32.1,4.5 30.5,6.1 30.5,12.29 31.23,13.03 L2.1 ; 35.6,5.05 39.69,5.05 40.4,5.76 J4.B4A9 ; C18.1 30.5,10.62
Net-(D2-K): length 7.7
  Top w0.381: R9.1 59.66,33.65 59.23,34.09 59.23,35.69 ; 59.23,35.69 59.23,37.31 59.63,37.72 R8.1 ; 59.23,35.69 59.22,35.68 D2.1
Net-(D3-A): length 17.7
  Top w0.381: Q2.1 67.68,39.49 66.85,38.66 ; D3.2 68.11,33.65 68.47,34.01 68.47,36.22 67.99,36.7 Q3.3 66.85,36.71 66.85,38.66 ; 66.85,38.66 65.76,39.75 R7.2
Net-(D4-A): length 11
  Top w0.381: D4.2 73.7,22.1 ; 73.7,22.1 71.93,22.1 71.29,22.73 Q4.1 ; 73.7,22.1 75.48,22.1 76.24,22.86 R10.2
Net-(D7-KA): length 2.8
  Top w0.381: D7.1 54.23,7.6 R14.2
Net-(J4-CC1): length 3.7
  Top w0.254: J4.A5 36.75,7.62 35.78,8.59 R13.2
Net-(J4-CC2): length 3.9
  Top w0.254: J4.B5 39.75,7.8 40.86,8.92 R12.2
Net-(Q1-G): length 6
  Top w0.508: Q1.4 66.19,59.89 67.52,58.57 67.52,57.24 67.73,57.02 69.07,57.02
Net-(Q3-B): length 2.6
  Top w0.381: R8.2 63.29,37.72 63.36,37.65 Q3.1
Net-(U1-COMP): length 8.2
  Top w0.381: U1.2 65.47,58.29 65.78,57.99 65.78,55.63 66.66,54.75 C9.1 C8.1
Net-(U1-FA/SD): length 5.1
  Top w0.305: R4.2 73.32,58.44 72.41,57.54 70.6,57.54 69.84,58.29 U1.7
Net-(U1-FB): length 7.8
  Top w0.305: R5.2 59.84,57.91 60.74,57 64.1,57 64.12,57.02
  Top w0.381: R2.1 58.18,58.4 58.67,57.91 R5.2
Net-(U1-I_{SEN}): length 4.2
  Top w0.381: C7.1 R3.2 62.65,59.72 62.81,59.56 U1.1
Net-(U2-IN_{B}): length 8.8
  Top w0.381: 35.59,29.54 35.59,25.82 33.51,23.74 U3.1
Net-(U2-OUT_{A}): length 12.9
  Top w0.381: U2.2 34.32,26.31 33.62,25.6 31.39,25.6 29.89,24.1 29.89,21.37 30.12,21.14 U3.5
Net-(U3-USBD+): length 15.3
  Top w0.254: J4.A6 37.75,6.06 37.77,6.04 37.77,5.89 38.02,5.64 38.55,5.64 38.75,5.84 J4.B6 38.75,8.88 38.35,9.28 38.35,13.08 ; C16.1 38.38,13.11 38.35,13.08 ; U3.15 38.56,14.61 38.35,14.41 38.35,13.08
Net-(U3-USBD-): length 16.3
  Top w0.254: J4.A7 38.25,7.67 37.89,8.03 ; J4.B7 37.25,7.34 37.58,7.67 37.58,7.71 37.89,8.03 ; C15.1 40.71,15.14 39.91,15.94 37.43,15.94 37.25,15.76 37.25,14.94 37.89,14.3 37.89,8.03
Net-(U3-VCC): length 18.8
  Top w0.381: L2.2 35.45,13.03 35.76,13.33 35.76,18.53 35.76,18.54 ; 35.76,18.54 40.39,18.54 41.02,19.17 C13.1 ; 35.76,18.54 35.76,18.56 32.54,21.79 U3.4

## Copper pours and planes (outline as drawn; the poured copper is in the pictures)
+18V on Top: 65.17,76.96 34.71,76.96 34.71,56.13 39.16,52.2 56.75,52.26 56.69,66.19 65.17,66.19
/NX Button Interface/GND_BTN on Top: 103.68,78.23 103.68,22.86 118.92,22.86 118.92,78.23
GND on Bottom: 34.41,52.7 41.7,45.47 52.75,7.37 52.62,0 96.56,0 96.69,55.63 96.61,79.04 34.41,78.99
GND on Bottom: 0.04,0 52.62,0 52.75,7.62 41.7,45.47 34.41,52.7 34.41,78.99 0.04,78.74
GND1 on Bottom: 53.13,0 52.88,7.11 41.7,45.47 34.41,52.7 34.41,78.99 0.04,78.99 0.04,0
GND_USB on Bottom: 29.76,0 29.76,13.46 28.36,15.03 28.36,31.75 38.14,31.75 41.19,23.62 45.76,20.12 45.76,0
/Power Supply/Q_S on Top: 64.1,65.43 66.59,65.43 66.59,62.03 64.1,62.03
/Power Supply/SW on Top: 67.15,60.81 67.2,65.28 67.2,76.96 71.98,76.96 76.6,72.39 76.6,66.07 72.48,60.76
/Power Supply/V_IN on Top: 74.72,45.97 69.59,45.97 69.59,51.82 75.99,51.88 75.99,60.9 77.06,66.07 77.06,72.39 77.9,73.66 92.37,73.66 96.56,71.12 96.59,24.89 79.8,24.89 79.85,39.24 74.72,39.24
/Power Supply/V_P on Top: 68.88,36.7 68.88,32.51 65.19,30.99 65.19,25.4 72.56,25.4 72.56,27.81 75.99,30.99 75.99,36.7
/V_BAT on Top: 81.58,0 81.58,19.3 64.56,19.56 64.56,31.24 52.88,31.5 52.88,0

## Text on the board
Bottom: 2
B.Silkscreen: NX BUTTON / INTERFACE V2 / 2025 | 1868 SPACE COOKIES
Top: 1
F.Silkscreen: 5-18V / 12A MAX | GND | 18V | VBAT INPUT | 18V / 3A | VBAT | ORIN J401 Adapter V5 / 1868 SPACE COOKIES / (C)2025
User.1: F.Silkscreen | F.Paste | F.Mask | F.Cu | Dielectric 1 | B.Cu | B.Mask | B.Paste | B.Silkscreen | Top Silk Screen | Top Solder Paste | Top Solder Mask | copper | core | Bottom Solder Mask | Bottom Solder Paste | Bottom Silk Screen | Not specified | FR4 | 0 mils | 0.3937 mils | 1.38 mils | 59.12913 mils | White | Green | FR4 natural | 1 | 3.3 | 4.5 | 0 | 0.02 | Copper Layer Count: | Board overall dimensions: | Min track/spacing: | Copper Finish: | Castellated pads: | Edge card connectors: | 2 | 3937.00 mils x 3110.00 mils | 10.00 mils / 7.73 mils | HAL SnPb | No | Board Thickness: | Min hole diameter: | Impedance Control: | Plated Board Edge: | 62.68 mils | 16.00 mils | Layer Name | Type | Material | Thickness (mils) | Color | Epsilon R | Loss Tangent | 1. Layers: 2 / 2. PCB Thickness: 1.6 mm / 3. PCB Color: GREEN / 4. Material Type: FR-4 TG155 / 5. Surface Finish: HASL / 6. Outer Copper Weight: 1 oz / 7. Impedance Control: NO / 8. Layer Stackup: xxxx / 9. Via Covering: Plugged / 10. Min Via Hole Size / Diameter: / 0.406 mm / 0.81 mm / 11. Board Outline Tolerance: +/- 0.2 mm / 12. Silk Screen: INK-JET/SCREEN PRINTING / 13. Stencil Framwork: YES / 14. Sencil Polishing: Electropolishing / 15. Fiducials: Etched Through / 16. Engrave Text | BOARD CHARACTERISTICS | NOTES:
User.2: FRONT
